# Altium PCB PCB-Tester-Relay-Board.PcbDoc (part 1 of 4) (continued)
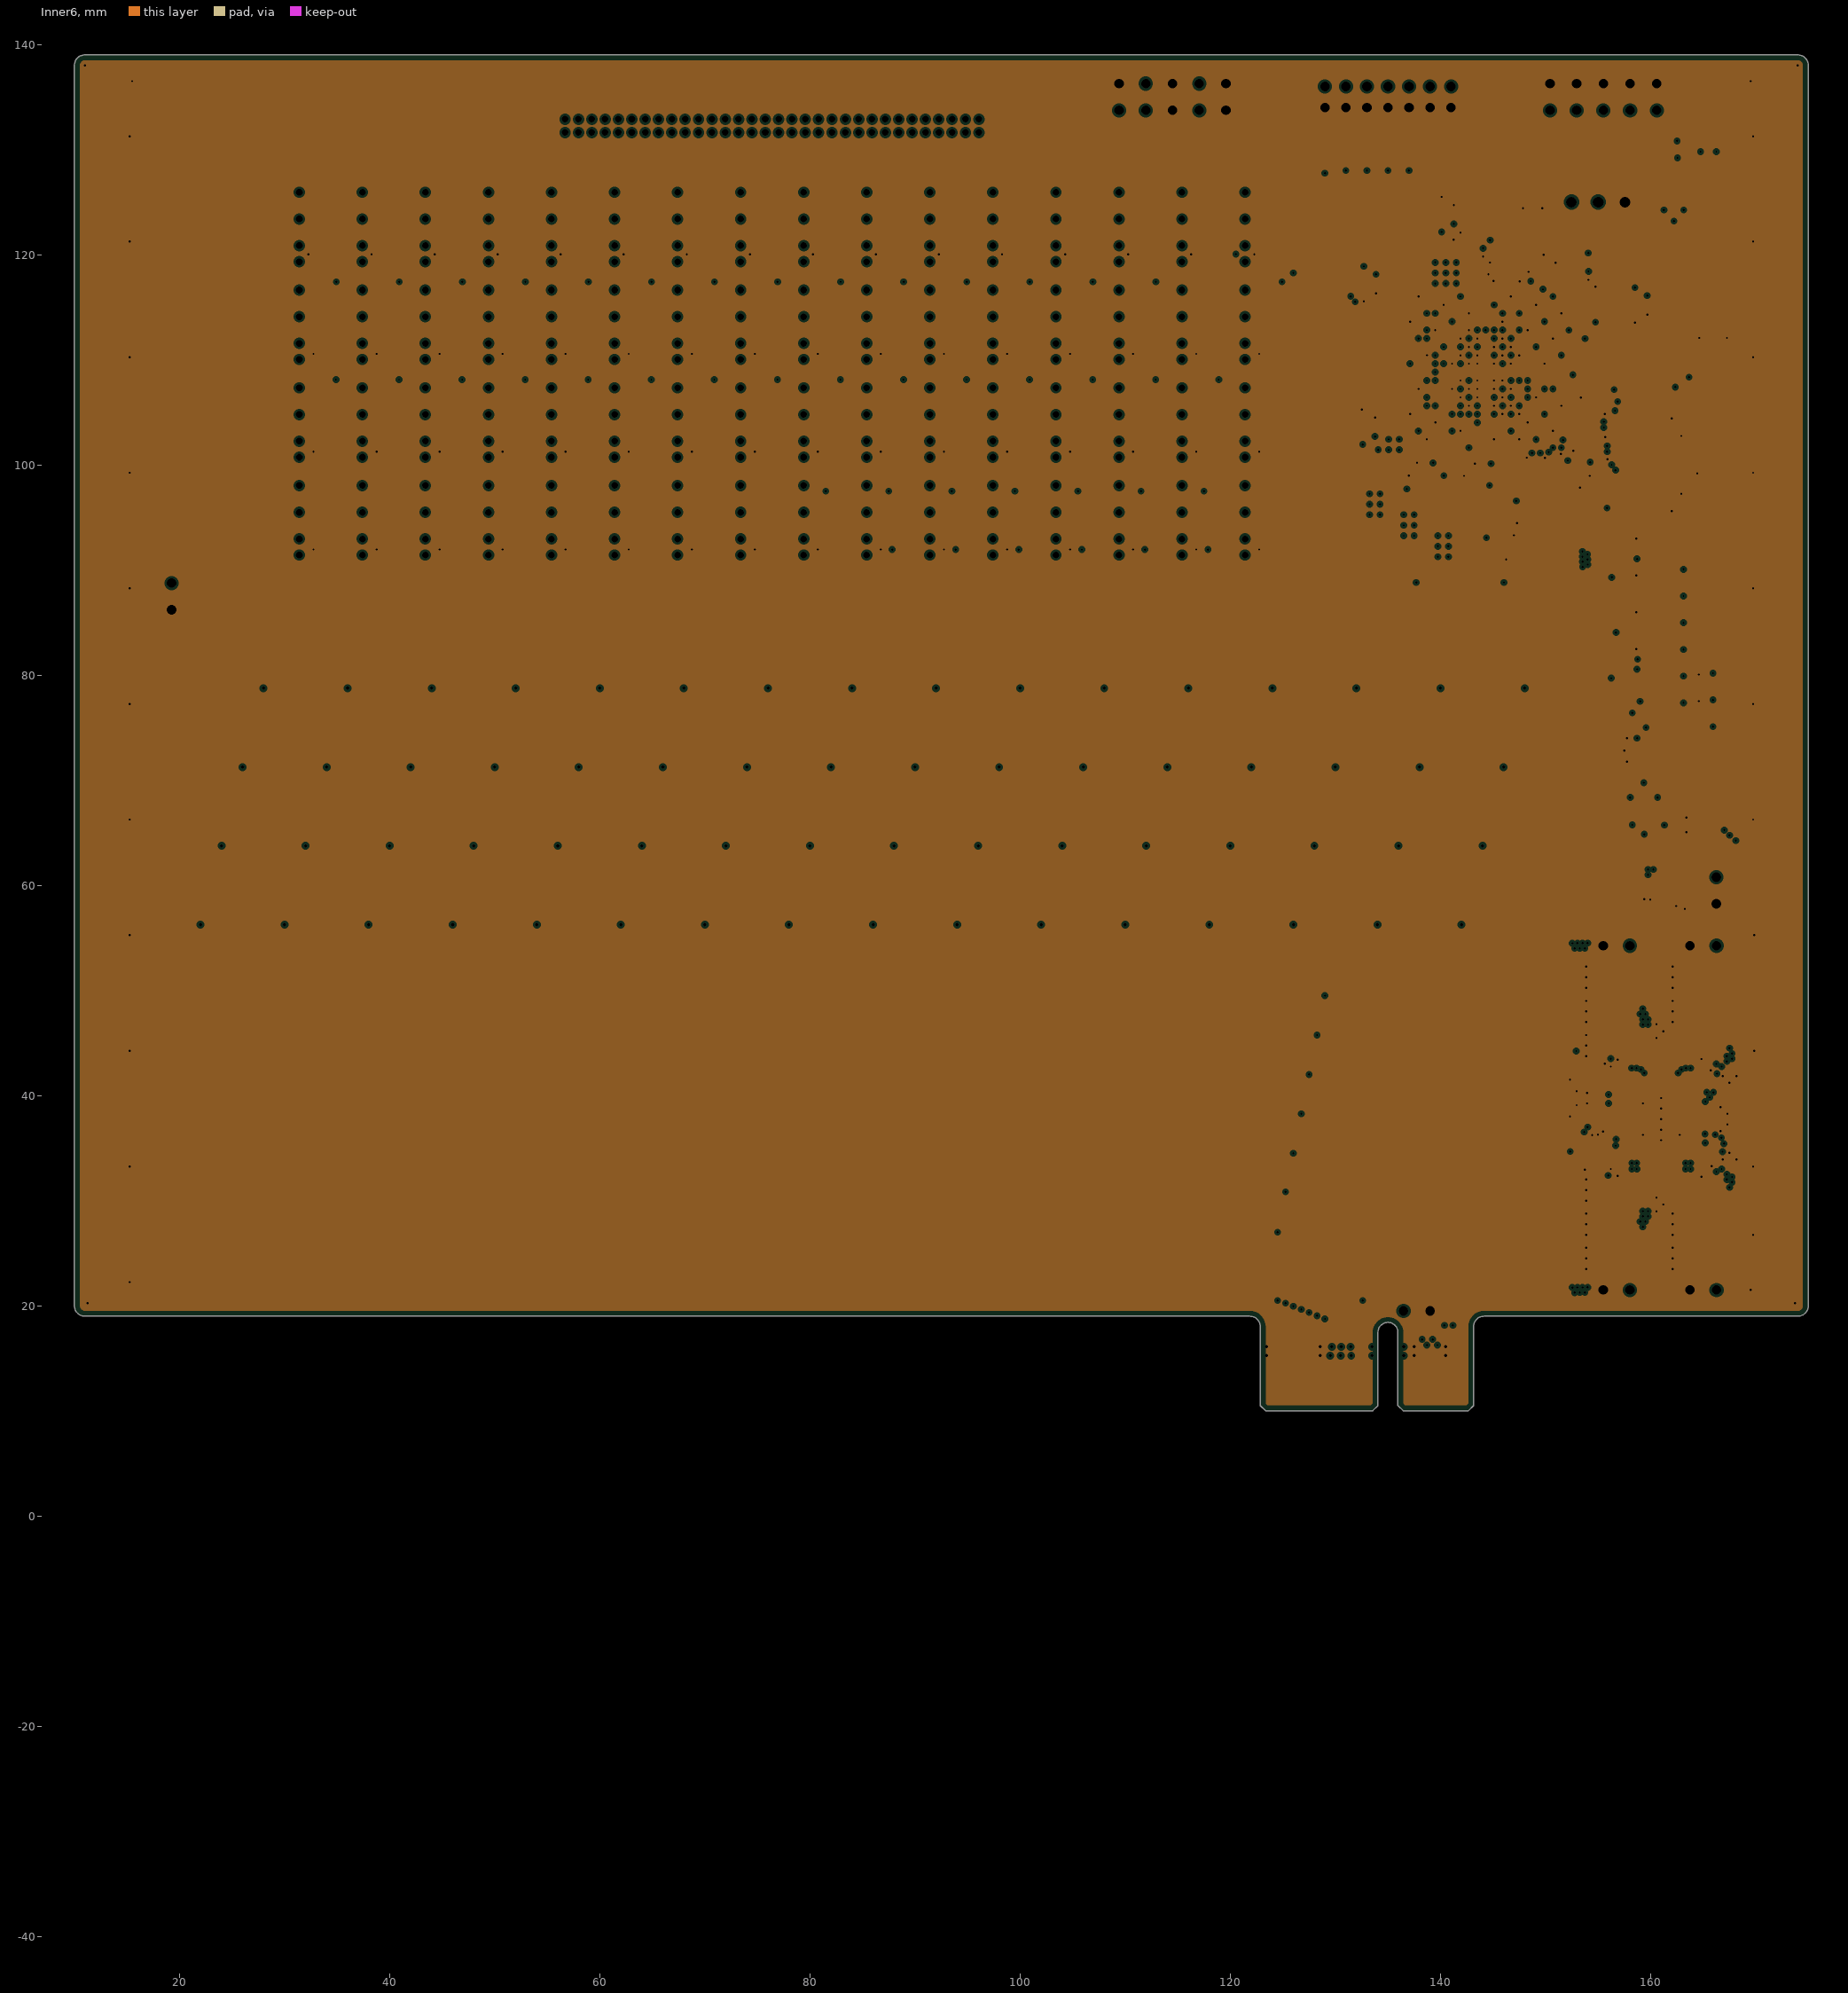
[diagram p7: Inner6, clearances drawn from the general rule]

## Layer stack, top to bottom
Top Solder: solder mask 0.0254, SM-001, Dk 4
Top Layer: signal copper 0.018
Dielectric 1: prepreg 0.1118, PP-015, Dk 4.3
Inner1: plane copper 0.035, net GND
Dielectric 6: core 0.2032, Core-026, Dk 4.4
Inner2: signal copper 0.035
Dielectric 2: prepreg 0.2184, PP-023, Dk 4.5
Inner3: signal copper 0.035
Dielectric 3: core 0.2032, Core-026, Dk 4.4
Inner4: signal copper 0.035
Dielectric 4: prepreg 0.2184, PP-023, Dk 4.5
Inner5: signal copper 0.035
Dielectric 7: core 0.2032, Core-026, Dk 4.4
Inner6: plane copper 0.035, net GND
Dielectric 5: prepreg 0.1118, PP-015, Dk 4.3
Bottom Layer: signal copper 0.018
Bottom Solder: solder mask 0.0254, SM-001, Dk 4

## Board outline
122.85,10.5 123.35,10 133.55,10 134.05,10.5 134.05,17.46 cw(c135,17.46) 135.95,17.46 135.95,10.5 136.45,10 142.65,10 143.15,10.5 143.15,18 cw(c144.15,18) 144.15,19 174,19 ccw(c174,20) 175,20 175,138 ccw(c174,138) 174,139 11,139 ccw(c11,138) 10,138 10,20 ccw(c11,20) 11,19 121.85,19 cw(c121.85,18) 122.85,18

## Design rules (kind name [scope] priority, off if disabled: settings)
Clearance [All] p1: gap=0.254 ignorepadtopadclearanceinfootprint=FALSE except(0: Arc-Hole Track-Hole SMDPad-Hole THPad-Hole Via-Hole Fill-Hole Poly-Hole Region-Hole Text-Hole; 0.127: Arc-Arc Arc-Track Arc-SMDPad Arc-Via Track-Track Track-SMDPad Track-Via; 0.152: Arc-THPad Track-THPad SMDPad-Via Via-Via; 0.178: SMDPad-SMDPad; 0.229: Track-Poly Track-Region SMDPad-Fill SMDPad-Region Via-Fill)
DiffPairsRouting [All] p1: maxlimit=0.178 minlimit=0.178 mostfreqgap=0.178 toplayer_minwidth=0.14 toplayer_maxwidth=0.14 toplayer_prefwidth=0.14 midlayer1_minwidth=0.14 midlayer1_maxwidth=0.14 midlayer1_prefwidth=0.14 midlayer2_minwidth=0.14 midlayer2_maxwidth=0.14 midlayer2_prefwidth=0.14 midlayer3_minwidth=0.14 midlayer3_maxwidth=0.14 midlayer3_prefwidth=0.14 midlayer4_minwidth=0.14 midlayer4_maxwidth=0.14 midlayer4_prefwidth=0.14 bottomlayer_minwidth=0.14 bottomlayer_maxwidth=0.14 bottomlayer_prefwidth=0.14 maxuncoupledlength=12.7
HoleSize [All] p1: absolutevalues=TRUE maxlimit=3.4 minlimit=0.2 maxpercent=80.000 minpercent=20.000
HoleToHoleClearance [All] p1: gap=0.229 allowstackedmicrovias=TRUE
MatchedLengths [InNetClass('GENHS_DP')] p1: tolerance=1.27 checknetsindiffpair=TRUE checkdiffpairvsdiffpair=FALSE checkxsignals=FALSE checkothers=FALSE
MinimumSolderMaskSliver [All] p1: minsoldermaskwidth=0.102
PlaneClearance [All] p1: clearance=0.229
PlaneConnect [All] p1: planeconnectstyle=Direct reliefexpansion=0.508 reliefentries=4 reliefconductorwidth=0.254 reliefairgap=0.254
PolygonConnect [All] p1: connectstyle=Direct reliefconductorwidth=0.254 reliefentries=4 polygonreliefangle="90 Angle" airgapwidth=0.254
RoomDefinition PCB-Relay-Board-V1 [InComponentClass('PCB-Relay-Board-V1')] p1: confinementstyle=ConfineIn formatcopy=TRUE lockcomponents=FALSE outline 13,9 172,9 172,139.5 13,139.5
RoomDefinition X7A15T-Prog [InComponentClass('X7A15T-Prog')] p2: confinementstyle=ConfineIn formatcopy=TRUE lockcomponents=FALSE outline 132,96 174,96 174,138 132,138
RoomDefinition X7A15T-Fabric [InComponentClass('X7A15T-Fabric')] p3: confinementstyle=ConfineIn formatcopy=TRUE lockcomponents=FALSE outline 150,102 174,102 174,126 150,126
RoomDefinition X7A15T-Decoupling [InComponentClass('X7A15T-Decoupling')] p4: confinementstyle=ConfineIn formatcopy=TRUE lockcomponents=FALSE outline 131.5,97.75 159.75,97.75 159.75,125.5 131.5,125.5
RoomDefinition RelayDriver [InComponentClass('RelayDriver')] p5: confinementstyle=ConfineIn formatcopy=TRUE lockcomponents=FALSE outline 161.585,79.507 169.926,79.507 169.926,86.373 161.585,86.373
RoomDefinition Power [InComponentClass('Power')] p6: confinementstyle=ConfineIn formatcopy=TRUE lockcomponents=FALSE outline 138,24 174,24 174,84 138,84
RoutingVias [All] p1: holewidth=0.3 width=0.7 viastyle="Through Hole" minholewidth=0.2 minwidth=0.4 maxholewidth=3.4 maxwidth=8
SilkToSolderMaskClearance [IsPad] p1: minsilkscreentomaskgap=0.178 clearancetoexposedcopper=TRUE
SolderMaskExpansion SolderMaskExpansion_VIA [IsVia] p1: expansion=0 istentingtop=FALSE soldermaskfromhole=TRUE
SolderMaskExpansion [All] p2: expansion=0.102 istentingtop=FALSE
Width [All] p1: maxlimit=2.54 minlimit=0.127 preferedwidth=0.152
23 further rules are at their usual default settings.

## Classes and differential pairs
net class GENHS_DP: F_HS1_4_N F_HS1_4_P F_HS2_4_N F_HS2_4_P HS1_4_N HS1_4_P HS2_4_N HS2_4_P
net class ABUS: ABUS0 ABUS1 ABUS2 ABUS3 ABUS4 ABUS5 ABUS6 ABUS7 NetK1_3 NetK1_4 NetK2_3 NetK2_4 NetK3_3 NetK3_4 NetK4_3 NetK4_4 NetK5_3 NetK5_4 NetK6_3 NetK6_4 NetK7_3 NetK7_4 NetK8_3 NetK8_4 NetK9_3 NetK9_4 NetK10_3 NetK10_4 NetK11_3 NetK11_4 NetK12_3 NetK12_4 NetK13_3 NetK13_4 NetK14_3 NetK14_4 NetK15_3 NetK15_4 NetK16_3 NetK16_4 NetK17_3 NetK17_4 NetK18_3 NetK18_4 NetK19_3 NetK19_4 NetK20_3 NetK20_4 NetK21_3 NetK21_4 NetK22_3 NetK22_4 NetK23_3 NetK23_4 NetK24_3 NetK24_4 NetK25_3 NetK25_4 NetK26_3 NetK26_4 NetK27_3 NetK27_4 NetK28_3 NetK28_4 NetK29_3 NetK29_4 NetK30_3 NetK30_4 NetK31_3 NetK31_4 NetK32_3 NetK32_4 NetK33_3 NetK33_4 NetK34_3 NetK34_4 NetK35_3 NetK35_4 NetK36_3 NetK36_4 NetK37_3 NetK37_4 NetK38_3 NetK38_4 NetK39_3 NetK39_4 NetK40_3 NetK40_4 NetK41_3 NetK41_4 NetK42_3 NetK42_4 NetK43_3 NetK43_4 NetK44_3 NetK44_4 NetK45_3 NetK45_4 NetK46_3 NetK46_4 NetK47_3 NetK47_4 NetK48_3 NetK48_4 NetK49_3 NetK49_4 NetK50_3 NetK50_4 NetK51_3 NetK51_4 NetK52_3 NetK52_4 NetK53_3 NetK53_4 NetK54_3 NetK54_4 NetK55_3 NetK55_4 NetK56_3 NetK56_4 NetK57_3 NetK57_4 NetK58_3 NetK58_4 NetK59_3 NetK59_4 NetK60_3 NetK60_4 NetK61_3 NetK61_4 NetK62_3 NetK62_4 NetK63_3 NetK63_4 NetK64_3 NetK64_4
net class DRV[64..1]: DRV1 DRV2 DRV3 DRV4 DRV5 DRV6 DRV7 DRV8 DRV9 DRV10 DRV11 DRV12 DRV13 DRV14 DRV15 DRV16 DRV17 DRV18 DRV19 DRV20 DRV21 DRV22 DRV23 DRV24 DRV25 DRV26 DRV27 DRV28 DRV29 DRV30 DRV31 DRV32 DRV33 DRV34 DRV35 DRV36 DRV37 DRV38 DRV39 DRV40 DRV41 DRV42 DRV43 DRV44 DRV45 DRV46 DRV47 DRV48 DRV49 DRV50 DRV51 DRV52 DRV53 DRV54 DRV55 DRV56 DRV57 DRV58 DRV59 DRV60 DRV61 DRV62 DRV63 DRV64
net class ABUS[7..0]: ABUS0 ABUS1 ABUS2 ABUS3 ABUS4 ABUS5 ABUS6 ABUS7
component class X7A15T-Prog: C55 D7 D8 D9 D10 D11 DONE PROG PROG1 R105 R106 R107 R108 R109 R110 R111 R112 R113 R114 R115 R116 U3 U7 X5 X37
component class X7A15T-Fabric: C17 C54 C56 D5 D6 J3 J10 R43 R96 R97 R98 R99 R100 R101 R102 R103 R104 R117 R118 R119 R120 R122 R123 R124 R127 U4 U8 X35 Y1
component class X7A15T-Decoupling: C310 C311 C312 C313 C314 C315 C316 C317 C318 C430 C431 C432 C433 C434 C435 C436 C437 C438 C439 C440 C441 C442 C443 C444 C445 C446 C447 C448 C449 C450 C451 C452 C453 C454 C455 C456 C457 C458 C459 C460 C461 C462 C463 C464 C465 C466 C467 C468 C469 C470 C471 C476 C477
component class PCB-Relay-Board-V1: AOI1 AOI2 AOI3 AOI4 AOI5 AOI6 D12 J11 J12 K1 K2 K3 K4 K5 K6 K7 K8 K9 K10 K11 K12 K13 K14 K15 K16 K17 K18 K19 K20 K21 K22 K23 K24 K25 K26 K27 K28 K29 K30 K31 K32 K33 K34 K35 K36 K37 K38 K39 K40 K41 K42 K43 K44 K45 K46 K47 K48 K49 K50 K51 K52 K53 K54 K55 K56 K57 K58 K59 K60 K61 K62 K63 K64 Q1 Q2 Q3 Q4 Q5 Q6 Q7 Q8 Q9 Q10 Q11 Q12 Q13 Q14 Q15 Q16 Q17 Q18 Q19 Q20 Q21 Q22 Q23 Q24 Q25 Q26 Q27 Q28 Q29 Q30 Q31 Q32 Q33 Q34 Q35 Q36 Q37 Q38 Q39 Q40 Q41 Q42 Q43 Q44 Q45 Q46 Q47 Q48 Q49 Q50 Q51 Q52 Q53 Q54 Q55 Q56 Q57 Q58 Q59 Q60 Q61 Q62 Q63 Q64 Q69 R1 R2 R3 R4 R5 R6 R7 R8 R9 R10 R11 R12 R13 R14 R15 R16 R17 R18 R19 R20 R21 R22 R23 R24 R25 R26 R27 R28 R29 R30 R31 R32 R33 R34 R35 R36 R37 R38 R39 R40 R41 R42 R48 R49 R50 R51 R52 R53 R54 R55 R56 R57 R58 R59 R60 R61 R62 R63 R64 R65 R66 R67 R68 R69 R121 R125 R130 TP5 TP6 X1 X2 X3 X4
component class RelayDriver: C9 C10 L1 R128 R129
component class Power: C1 C2 C3 C4 C5 C6 C7 C8 C11 C12 C13 C14 C15 C16 C18 C19 C20 C21 C22 C23 C24 C25 C26 C27 C28 C29 C30 C31 C32 C33 C34 C35 C36 C37 C38 C39 C40 C41 C42 C43 C44 C45 C46 C47 C48 C49 C50 C51 C52 C53 C494 C495 C496 C501 C502 C503 C504 C505 C506 C507 C508 C509 D1 D2 D3 D4 D13 J1 J2 J4 J5 J6 J7 J8 J9 J29 J30 J31 J32 J33 J34 J35 J36 L2 L3 L4 L5 Q65 Q66 Q67 Q68 Q70 R44 R45 R46 R47 R70 R71 R72 R73 R74 R75 R76 R77 R78 R79 R80 R81 R82 R83 R84 R85 R86 R87 R88 R89 R90 R91 R92 R93 R94 R95 R126 TP1 TP2 TP3 TP4 TP7 U1 U2
differential pair HS2_4: +HS2_4_P -HS2_4_N
differential pair HS1_4: +HS1_4_P -HS1_4_N
differential pair F_HS2_4: +F_HS2_4_P -F_HS2_4_N
differential pair F_HS1_4: +F_HS1_4_P -F_HS1_4_N

## Components (designator, comment, footprint, x,y, rotation, side; value= is the part's Value field where it differs from the comment)
AOI1 "AOI" "Fiducial Point" 15,134 r0 top locked
AOI2 "AOI" "Fiducial Point" 170,24 r90 top
AOI3 "AOI" "Fiducial Cross" 170,134 r90 top locked
AOI4 "AOI" "Fiducial Point" 15,134 r90 bottom locked
AOI5 "AOI" "Fiducial Point" 170,24 r90 bottom
AOI6 "AOI" "Fiducial Cross" 170,134 r90 bottom locked
C1 "C" "C0805 Reflow" 161,59.5 r270 bottom value=2u2
C2 "C" "C0402 Reflow" 159.75,59.75 r270 top value=100nF
C3 "C" "C0402 Reflow" 164.25,59.75 r270 top value=100nF
C4 "C" "C0805 Reflow" 164.25,59.5 r270 bottom value=2u2
C5 "C" "C0402 Reflow" 159.75,43.5 r90 top value=100nF
C6 "C" "C1206 Reflow" 159.25,39.75 r270 bottom value=10uF
C7 "C" "C1206 Reflow" 156.75,39.75 r270 bottom value=10uF
C8 "C" "C0402 Reflow" 157.25,42.75 r180 top value=100nF
C9 "C" "C0805 Reflow" 145.952,92.279 r0 bottom value=10uF
C10 "C" "C0805 Reflow" 146.25,95 r270 bottom value=10uF
C11 "C" "C0402 Reflow" 160.15,46.119 r0 bottom value=100nF
C12 "C" "C1210 Reflow" 156.5,51.25 r180 bottom value=47uF
C13 "C" "C1210 Reflow" 156.5,48 r180 bottom value=47uF
C14 "C" "C1210 Reflow" 156.5,44.75 r180 bottom value=47uF
C15 "C+" CAP_TAN_B 154.25,50.5 r180 top value=47u
C16 "C" "C1206 Reflow" 154.5,36.75 r270 top value=10uF
C17 "C" "C0402 Reflow" 144.717,120.204 r270 bottom value=100nF
C18 "C" "C0402 Reflow" 156,37.5 r270 top value=100nF
C19 "C" "C0402 Reflow" 162.25,43.5 r90 top value=100nF
C20 "C" "C1206 Reflow" 165.25,39.75 r270 bottom value=10uF
C21 "C" "C1206 Reflow" 162.75,39.75 r270 bottom value=10uF
C22 "C" "C0402 Reflow" 164.75,42.75 r0 top value=100nF
C23 "C" "C0402 Reflow" 167.5,42.25 r270 bottom value=100nF
C24 "C" "C1210 Reflow" 164.75,44.75 r180 bottom value=47uF
C25 "C" "C1210 Reflow" 164.75,48 r180 bottom value=47uF
C26 "C" "C1210 Reflow" 164.75,51.25 r180 bottom value=47uF
C27 "C+" CAP_TAN_B 162.5,50.5 r180 top value=47u
C28 "C" "C0805 Reflow" 154,38 r180 bottom value=2u2
C29 "C" "C0402 Reflow" 155,39.25 r180 top value=1nF
C30 "C" "C0805 Reflow" 154,41.5 r180 bottom value=2u2
C31 "C" "C0402 Reflow" 155,40.25 r180 top value=1nF
C32 "C" "C0402 Reflow" 166.25,37.25 r0 top value=100nF
C33 "C" "C0402 Reflow" 166.25,38.25 r0 top value=1uF
C34 "C" "C0402 Reflow" 162.25,33 r180 top value=DNM
C35 "C" "C1206 Reflow" 165.25,35.814 r90 bottom value=DNM
C36 "C" "C1206 Reflow" 162.75,35.75 r90 bottom value=DNM
C37 "C" "C0402 Reflow" 164.75,33 r0 top value=100nF
C38 "C" "C0402 Reflow" 167.5,33.5 r90 bottom value=DNM
C39 "C" "C1210 Reflow" 164.75,24.5 r180 bottom value=DNM
C40 "C" "C1210 Reflow" 164.75,27.75 r180 bottom value=DNM
C41 "C" "C1210 Reflow" 164.75,31 r180 bottom value=DNM
C42 "C+" CAP_TAN_B 162.5,25.25 r180 top value=DNM
C43 "C" "C0402 Reflow" 159.75,33 r0 top value=100nF
C44 "C" "C1206 Reflow" 156.75,35.75 r90 bottom value=10uF
C45 "C" "C1206 Reflow" 159.25,35.75 r90 bottom value=10uF
C46 "C" "C0402 Reflow" 157.25,33 r180 top value=100nF
C47 "C" "C0402 Reflow" 154.541,35.581 r180 bottom value=10nF
C48 "C" "C0402 Reflow" 155.289,33.424 r270 bottom value=10nF
C49 "C" "C0402 Reflow" 160.15,29.633 r0 bottom value=100nF
C50 "C" "C1210 Reflow" 156.5,31 r180 bottom value=47uF
C51 "C" "C1210 Reflow" 156.5,27.75 r180 bottom value=47uF
C52 "C" "C1210 Reflow" 156.5,24.5 r180 bottom value=47uF
C53 "C+" CAP_TAN_B 154.25,25.25 r180 top value=47u
C54 "C" "C0402 Reflow" 141.897,121.013 r270 top value=100nF
C55 "C" "C0402 Reflow" 154.75,118 r270 top value=100nF
C56 "C" "C0402 Reflow" 163,65.75 r180 top value=100nF
C310 "C" "C0805 Reflow" 138.654,99.073 r180 bottom value=47uF
C311 "C" "C0402 Reflow" 145.5,108.821 r180 bottom value=4u7F
C312 "C" "C0402 Reflow" 141.201,106.025 r90 bottom value=4u7F
C313 "C" "C0402 Reflow" 143.7,108.821 r0 bottom value=4u7F
C314 "C" "C0402 Reflow" 144.3,105.721 r270 bottom value=470nF
C315 "C" "C0402 Reflow" 142,108.821 r180 bottom value=470nF
C316 "C" "C0805 Reflow" 149.645,118.371 r90 bottom value=47uF
C317 "C" "C0402 Reflow" 144.3,111.766 r270 bottom value=470nF
C318 "C" "C0805 Reflow" 153.177,99.504 r270 bottom value=47uF
C430 "C" "C0402 Reflow" 148.3,109.096 r90 bottom value=4u7F
C431 "C" "C0402 Reflow" 147.8,112.121 r0 bottom value=4u7F
C432 "C" "C0402 Reflow" 147.8,111.221 r0 bottom value=470nF
C433 "C" "C0402 Reflow" 146.6,113.221 r90 bottom value=470nF
C434 "C" "C0402 Reflow" 147.4,106.721 r90 bottom value=470nF
C435 "C" "C0402 Reflow" 147.3,109.096 r90 bottom value=470nF
C436 "C" "C0805 Reflow" 143.904,99.048 r180 bottom value=47uF
C437 "C" "C0805 Reflow" 155,105.976 r180 bottom value=47uF
C438 "C" "C0402 Reflow" 145.6,103.121 r180 bottom value=4u7F
C439 "C" "C0402 Reflow" 150.6,104.521 r270 bottom value=4u7F
C440 "C" "C0402 Reflow" 150.1,102.821 r90 bottom value=470nF
C441 "C" "C0402 Reflow" 148.2,105.121 r270 bottom value=470nF
C442 "C" "C0402 Reflow" 150.5,106.121 r0 bottom value=470nF
C443 "C" "C0402 Reflow" 148.3,102.921 r90 bottom value=470nF
C444 "C" "C0805 Reflow" 158.611,115.196 r270 bottom value=47uF
C445 "C" "C0402 Reflow" 148.6,110.321 r180 bottom value=4u7F
C446 "C" "C0402 Reflow" 150,112.521 r270 bottom value=4u7F
C447 "C" "C0402 Reflow" 149.1,107.416 r270 bottom value=470nF
C448 "C" "C0402 Reflow" 150.3,110.721 r270 bottom value=470nF
C449 "C" "C0402 Reflow" 150.3,114.821 r0 bottom value=470nF
C450 "C" "C0402 Reflow" 148.3,114.821 r90 bottom value=470nF
C451 "C" "C0805 Reflow" 140.2,123.821 r90 bottom value=47uF
C452 "C" "C0402 Reflow" 144.8,116.321 r90 bottom value=4u7F
C453 "C" "C0402 Reflow" 143.5,118.121 r0 bottom value=4u7F
C454 "C" "C0402 Reflow" 145.094,114.049 r270 bottom value=470nF
C455 "C" "C0402 Reflow" 143.1,115.121 r180 bottom value=470nF
C456 "C" "C0805 Reflow" 132.704,103.598 r90 bottom value=47uF
C457 "C" "C0402 Reflow" 137.201,103.725 r90 bottom value=4u7F
C458 "C" "C0402 Reflow" 140.801,104.125 r180 bottom value=4u7F
C459 "C" "C0402 Reflow" 141.701,102.125 r90 bottom value=470nF
C460 "C" "C0402 Reflow" 139.001,102.725 r270 bottom value=470nF
C461 "C" "C0402 Reflow" 139.007,107.077 r180 bottom value=470nF
C462 "C" "C0402 Reflow" 139.101,104.625 r0 bottom value=470nF
C463 "C" "C0805 Reflow" 132.8,117.221 r270 bottom value=47uF
C464 "C" "C0402 Reflow" 139.6,111.721 r90 bottom value=4u7F
C465 "C" "C0402 Reflow" 137.9,114.921 r90 bottom value=4u7F
C466 "C" "C0402 Reflow" 141,115.521 r270 bottom value=470nF
C467 "C" "C0402 Reflow" 140,113.521 r180 bottom value=470nF
C468 "C" "C0402 Reflow" 138.2,113.621 r180 bottom value=470nF
C469 "C" "C0402 Reflow" 137.6,110.421 r0 bottom value=470nF
C470 "C" "C0402 Reflow" 153.236,103.099 r90 bottom value=DNM
C471 "C" "C0402 Reflow" 144.3,110.121 r270 bottom value=100nF
C476 "C" "C0402 Reflow" 144.3,107.421 r90 bottom value=4u7F
C477 "C" "C0402 Reflow" 141.2,111.621 r90 bottom value=4u7F
D1 "D" L0603G 165.1,81.28 r180 top
D2 "D" L0603G 165.1,83.82 r180 top
D3 "D" L0603G 165.1,86.36 r180 top
D4 "D" L0603G 165.1,88.9 r180 top
D5 "D" L0603G 167.5,137.75 r0 top
D6 "D" L0603G 17.5,137.75 r180 top
D7 "D" SOD323 131,130 r270 top
D8 "D" SOD323 133,130 r270 top
D9 "D" SOD323 135,130 r270 top
D10 "D" SOD323 129,130 r270 top
D11 "D" SOD323 137,130 r270 top
D12 "D" L0603G 165.1,78.74 r180 top
D13 "D" L0603G 165.1,76.2 r180 top
DONE "D" L0603G 165.5,100 r270 top
J1 "J" JumperSMD 157.75,51.25 r270 top value=0R
J2 "J" JumperSMD 159,51.25 r270 top value=0R
J3 "J" "Header 100mil 3x1" 155,125 r0 top
J4 "J" JumperSMD 167.25,51.25 r270 top value=0R
J5 "J" JumperSMD 166,51.25 r270 top value=0R
J6 "J" JumperSMD 167.25,24.5 r90 top value=DNM
J7 "J" JumperSMD 166,24.5 r90 top value=DNM
J8 "J" JumperSMD 159,24.5 r90 top value=0R
J9 "J" JumperSMD 157.75,24.5 r90 top value=0R
J10 "J" "Header 100mil 5x2" 114.5,135 r0 top locked
J11 "J" "Header 100mil 5x2" 155.5,135 r0 top locked
J12 "J" JumperSMD 162.2,124.932 r90 top value=DNM
K1 "K" 118-1A 31.402,122.628 r90 top
K2 "K" 118-1A 31.402,113.326 r90 top
K3 "K" 118-1A 31.402,104.024 r90 top
K4 "K" 118-1A 31.402,94.722 r90 top
K5 "K" 118-1A 37.402,122.628 r90 top
K6 "K" 118-1A 37.402,113.326 r90 top
K7 "K" 118-1A 37.402,104.024 r90 top
K8 "K" 118-1A 37.402,94.722 r90 top
K9 "K" 118-1A 43.402,122.628 r90 top
K10 "K" 118-1A 43.402,113.326 r90 top
K11 "K" 118-1A 43.402,104.024 r90 top
K12 "K" 118-1A 43.402,94.722 r90 top
K13 "K" 118-1A 49.402,122.628 r90 top
K14 "K" 118-1A 49.402,113.326 r90 top
K15 "K" 118-1A 49.402,104.024 r90 top
K16 "K" 118-1A 49.402,94.722 r90 top
K17 "K" 118-1A 55.402,122.628 r90 top
K18 "K" 118-1A 55.402,113.326 r90 top
K19 "K" 118-1A 55.402,104.024 r90 top
K20 "K" 118-1A 55.402,94.722 r90 top
K21 "K" 118-1A 61.402,122.628 r90 top
K22 "K" 118-1A 61.402,113.326 r90 top
K23 "K" 118-1A 61.402,104.024 r90 top
K24 "K" 118-1A 61.402,94.722 r90 top
K25 "K" 118-1A 67.402,122.628 r90 top
K26 "K" 118-1A 67.402,113.326 r90 top
K27 "K" 118-1A 67.402,104.024 r90 top
K28 "K" 118-1A 67.402,94.722 r90 top
K29 "K" 118-1A 73.402,122.628 r90 top
K30 "K" 118-1A 73.402,113.326 r90 top
K31 "K" 118-1A 73.402,104.024 r90 top
K32 "K" 118-1A 73.402,94.722 r90 top
K33 "K" 118-1A 79.402,122.628 r90 top
K34 "K" 118-1A 79.402,113.326 r90 top
K35 "K" 118-1A 79.402,104.024 r90 top
K36 "K" 118-1A 79.402,94.722 r90 top
K37 "K" 118-1A 85.402,122.628 r90 top
K38 "K" 118-1A 85.402,113.326 r90 top
K39 "K" 118-1A 85.402,104.024 r90 top
K40 "K" 118-1A 85.402,94.722 r90 top
K41 "K" 118-1A 91.402,122.628 r90 top
K42 "K" 118-1A 91.402,113.326 r90 top
K43 "K" 118-1A 91.402,104.024 r90 top
K44 "K" 118-1A 91.402,94.722 r90 top
K45 "K" 118-1A 97.402,122.628 r90 top
K46 "K" 118-1A 97.402,113.326 r90 top
K47 "K" 118-1A 97.402,104.024 r90 top
K48 "K" 118-1A 97.402,94.722 r90 top
K49 "K" 118-1A 103.402,122.628 r90 top
K50 "K" 118-1A 103.402,113.326 r90 top
K51 "K" 118-1A 103.402,104.024 r90 top
K52 "K" 118-1A 103.402,94.722 r90 top